# Altium PCB MU_MP_39_V1.PcbDoc (part 9 of 15)
Units mm, origin at the board's own origin, x right, y up, seen from the top; angles counter-clockwise.
Board outline 133 x 94 mm, 8 copper layers (Top Layer, GND_1, POWER_1, POWER_2, GND_2, Inner_Layer, GND_3, Bottom Layer), stack 1.468 mm thick; 934 components, 729 nets, 4006 pads, 2645 vias.
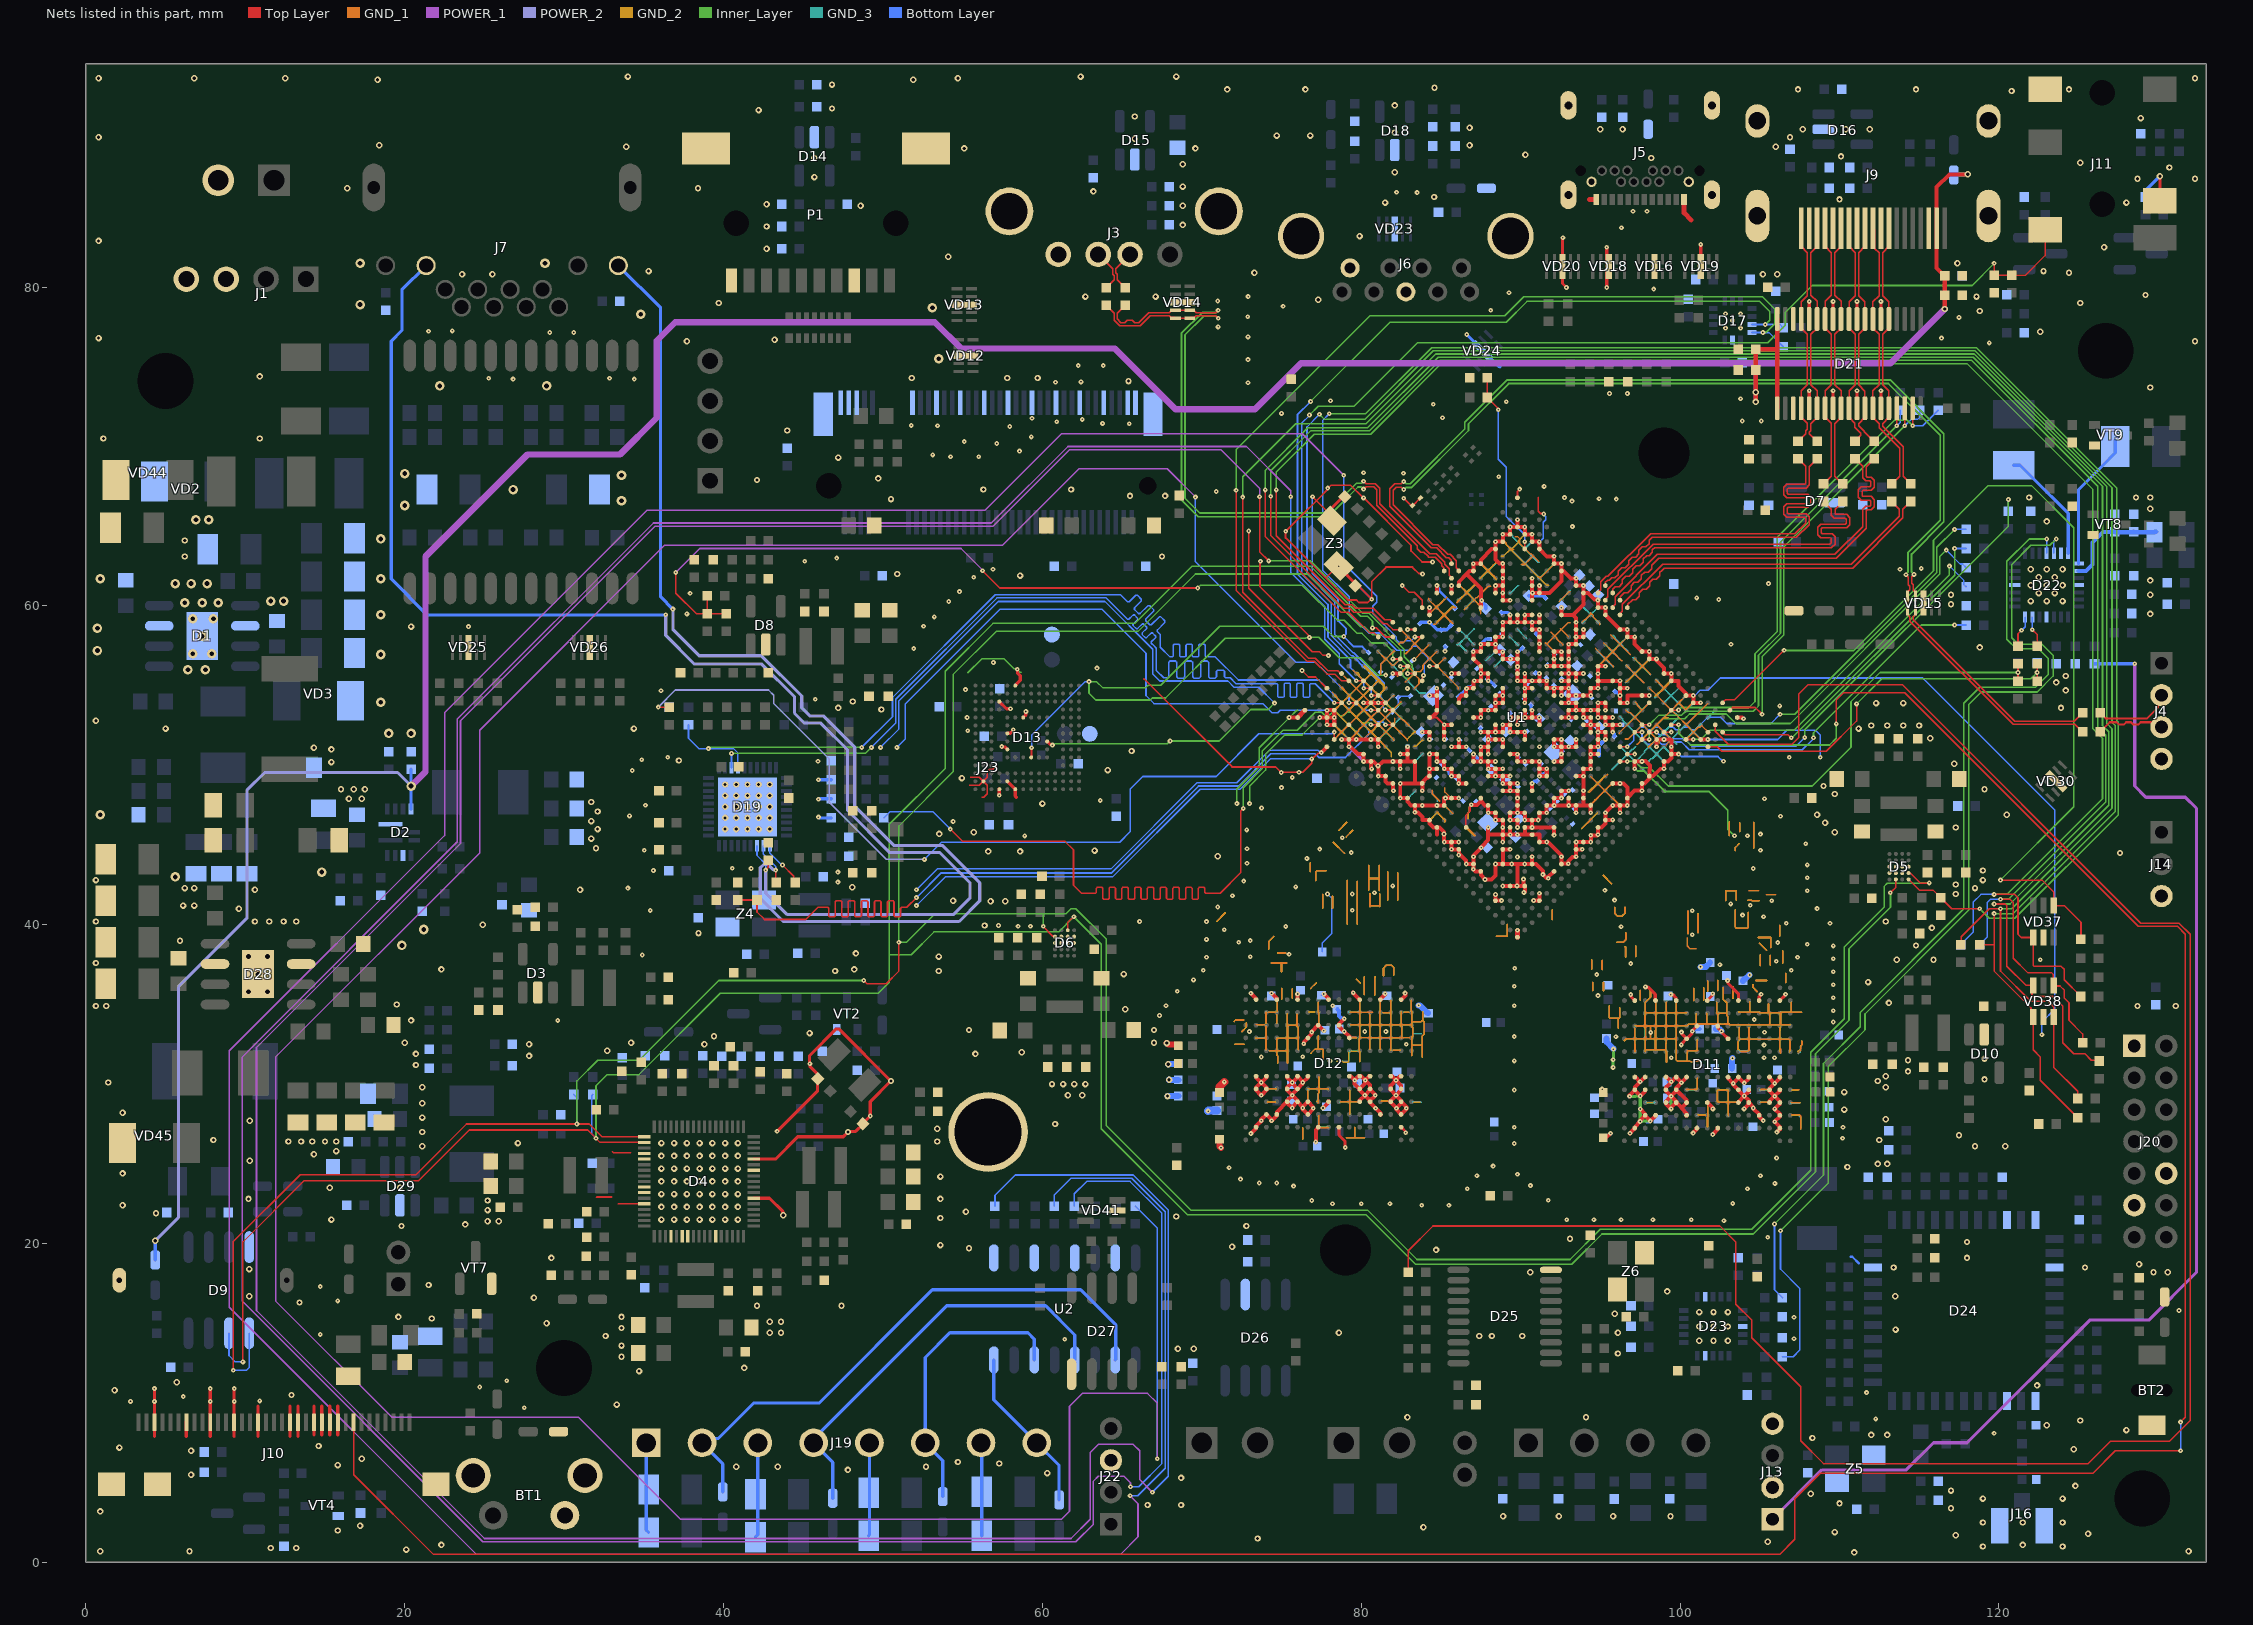
[diagram p15: the nets of this part, all layers, seen from the top]

## Via types
v1: diameter 0.3, hole 0.1, Top Layer to Bottom Layer, tented both sides, 1670 vias
v2: diameter 0.4, hole 0.2, Top Layer to Bottom Layer, tented both sides, 843 vias
v3: diameter 0.6, hole 0.3, Top Layer to Bottom Layer, tented both sides, 132 vias

## Nets (pads, with @x,y where several pads share a name; then routed paths per layer and width w, separated by ;. In a path a pad name is that pad's centre, name@x,y a point inside that pad or via, vN(x,y) a via of type N, cw(c..) or ccw(c..) an arc to the next point about the centre after c; other vN are vias at no path point) (continued)
GND: (continued)
  other v1: 119.7,8.1 112.275,9 27.5,9.7 2.8,10.1 4.3,10.1 10.9,10.132 6.1,10.4 111.7,10.65 24.7,11 26.4,11.4 61.4,14 107.15,14.025 14.7,14.3 107.15,15.375 131.3,15.8 15.8,16.4 14.7,17.3 105.5,20.4 102.75,21.425 92.9,21.5 94.6,21.5 96.3,21.5 98.3,21.5 100.7,21.5 83.8,22.4 85.5,22.4 78.2,22.5 80,22.5 81.8,22.5 103.313,22.52 76.9,22.7 91.73,22.723 86.65,23.434 104.227,23.434 75.756,23.603 90.613,23.638 105.95,23.775 73.6,23.8 74.7,23.8 72.426,24.044 87.26,24.247 105.04,24.247 89.8,24.349 71.715,24.755 88.276,24.857 106.056,25.365 89.597,26.279 110.2,26.6 89.597,27.295 110.222,27.295 89.597,29.632 78.04,31.461 89.597,31.461 99.45,31.65 105.275,31.65 105.925,31.65 73.725,31.7 76.33,31.721 105.275,32.45 82.825,32.5 89.597,32.985 95.975,32.975 105.3,33.25 72.984,33.3 80.225,33.3 81.55,33.3 109.612,33.899 29.6,34 104.65,34.05 67.346,34.306 109.612,34.61 67.753,34.915 78.218,34.915 89.597,34.915 109.612,35.423 94.855,35.554 68.464,35.83 89.597,36.134 109.612,36.236 69.48,36.541 94.778,36.875 109.612,37.049 70.09,37.15 106.97,37.15 89.625,37.275 102.5,37.484 96.912,37.56 106.031,37.709 122.6,37.8 109.612,37.862 70.293,37.963 107.377,37.963 73.036,37.989 34.9,38.1 75.475,38.15 109.612,38.674 107.986,38.776 106.132,38.878 72.324,38.9 73.036,39.005 70.293,39.081 100.772,39.378 71.41,39.69 96.302,39.868 75.271,39.894 58.475,39.9 59.25,39.9 57.25,39.95 106.666,40.097 109.409,40.097 66.1,40.2 70.293,40.198 105.243,40.503 103.922,40.605 100.765,40.871 35.4,40.9 79.437,40.91 108.596,41.011 71.004,41.113 104.399,41.225 103.181,41.304 105.749,41.5 95.896,41.548 71.918,41.824 79.437,41.926 80.825,42.001 107.986,42.129 95.286,42.158 34,42.3 75.899,42.375 81.977,42.434 47.175,42.675 72.63,42.738 107.986,42.942 47.175,43.3 35.6,43.4 41.725,43.525 104.599,43.525 40.55,43.55 107.986,43.754 72.833,43.856 76.592,44.161 89.8,44.25 79.375,44.525 105.04,44.669 35.025,44.675 72.833,44.77 77.397,44.747 107.885,45.075 78.815,45.456 58.9,45.575 104.227,45.583 105.04,45.685 72.825,45.95 54.4,46.475 106.3,46.8 34.1,46.825 73.75,47.325 35.1,47.5 63.625,47.8 105.3,47.9 57.3,48.125 93.018,48.406 75,48.6 75.678,49.241 34.275,49.675 81.052,49.962 45.925,50.25 34.875,50.35 36.5,50.5 106.85,50.5 91.183,51.166 92.558,51.623 55.325,52.175 95.316,52.542 55.275,53 94.856,53.001 106.25,53.725 45.75,54.15 98.073,54.38 36.075,54.675 55.175,54.75 82.9,54.825 93.478,55.299 94.856,55.743 93.937,55.758 63.425,56.1 95.316,56.218 56.925,56.45 51.925,57.325 103.2,57.6 24,58.7 52.55,58.725 53.21,59.31 90.261,59.435 91.18,59.435 37.7,59.5 84.284,59.892 92.558,59.894 54.125,60.275 89.342,60.354 102.425,60.4 101.05,60.5 37.9,60.8 54.8,60.9 105.55,61.4 55.7,61.8 56.9,62.3 113.8,62.3 115.125,62.35 45.1,62.8 47.1,63 93.25,64.975 93.225,66.575 96,66.7 94.925,66.725 92.754,66.796 70.9,67.175 91.471,67.494 88.625,68.1 82.65,68.325 80.15,68.35 54.241,69.354 56.003,69.351 53.125,69.475 58.567,69.712 57.134,70.19 55.096,70.306 59.3,70.6 57.946,71.254 53.425,71.3 51.775,71.325 65.45,71.425 63.775,71.45 60.897,71.555 103.9,71.6 105.1,71.6 62.5,71.7 59.35,71.775 85.1,71.8 75,72.075 84.525,72.65 89.1,72.8 78.075,72.875 103.8,73 95.575,73.325 96.7,73.325 72.9,74 60.825,74.025 62.425,74.05 26.8,74.225 34.4,74.225 25.275,74.275 32.85,74.275 62.25,75.075 63.825,75.075 72.9,75.45 119.4,76.5 116.4,76.8 72.9,76.876 29.1,77.15 30.6,77.15 21.5,77.225 22.975,77.25 102.85,77.425 103.8,77.425 71.024,77.5 103.3,77.9 117.5,78.1 72.882,78.141 102.85,78.325 103.8,78.325 88.122,78.548 75.1,78.8 71,79.125 72.904,79.403 89.269,79.643 98.35,79.875 95.4,79.975 96.325,83.725 97.05,84.75 97.925,84.75 83.505,85.925 82.221,85.953
  other v2: 110.925,0.625 0.9,0.7 6.5,0.7 131.9,0.7 20.1,0.8 11.6,0.9 13.2,0.9 119,1 124,1 22.3,1.1 121.5,1.1 105.5,1.3 73.5,1.5 117.3,1.7 125.6,1.8 109.7,1.9 15.8,2 83.9,2.2 17.2,2.3 119,2.5 121.5,2.5 124,2.5 88.9,2.9 92.4,2.9 95.8,2.9 99.4,2.9 0.9,3.2 117,3.4 66.6,3.6 68.7,3.6 110,3.7 119,4 124,4 108.2,4.3 117,4.5 124.8,4.8 68.7,5.3 6.6,5.5 60.3,5.6 47.8,5.8 40.8,6 43.4,6 52.7,6 15.8,6.1 57.3,6.2 54.7,6.3 17.3,6.5 6.6,7 124.7,7.1 2.1,7.2 14.6,7.3 108.3,7.8 112,8 113,8 128,8.3 123,8.6 125.1,8.9 82.9,9.1 94.1,9.1 33.3,9.9 12.9,10.5 1.8,10.8 122.4,11.1 5.7,11.3 34.7,12 41.3,12.2 33.6,12.9 96.1,13.1 68.5,13.4 69.5,13.4 33.6,13.6 101.2,13.9 102.1,13.9 103,13.9 32.6,14.2 87.4,14.2 88.2,14.2 90.1,14.2 42.9,14.4 43.6,14.4 78.6,14.4 96.1,14.4 113.525,14.6 33.6,14.7 101.2,14.8 102.1,14.8 103,14.8 28.9,15 42.9,15.1 43.6,15.1 21.7,15.3 19.6,15.4 33.6,15.4 95.9,15.6 101.2,15.7 102.1,15.7 103,15.7 42.1,16.1 47.4,16.1 13.4,16.3 28.1,16.6 10.25,16.7 113.5,16.7 99.2,17 21.5,17.4 90.6,18.2 129.7,18.2 130.6,18.2 10.25,18.4 113.4,18.5 125.4,18.5 128.8,18.7 29.2,19.1 118,19.1 84.7,19.6 55.4,19.7 71.9,19.8 53.6,19.9 118,20.1 93.1,20.3 19.8,21.1 72.8,21.1 23.8,21.2 25.2,21.4 25.9,21.4 15.4,21.5 36.1,21.5 36.9,21.5 37.7,21.5 38.5,21.5 39.3,21.5 40.1,21.5 40.9,21.5 53.6,21.6 68.4,21.7 4.4,21.9 55.2,22 25.2,22.1 36.1,22.3 36.9,22.3 37.7,22.3 38.5,22.3 39.3,22.3 40.1,22.3 40.9,22.3 2.3,22.4 25.2,22.7 10.2,22.8 53.6,22.8 36.1,23.1 36.9,23.1 37.7,23.1 38.5,23.1 39.3,23.1 40.1,23.1 40.9,23.1 15.3,23.5 19.7,23.5 36.1,23.9 36.9,23.9 37.7,23.9 38.5,23.9 39.3,23.9 40.1,23.9 40.9,23.9 53.6,24.2 2.3,24.4 36.1,24.7 36.9,24.7 37.7,24.7 38.5,24.7 39.3,24.7 40.1,24.7 40.9,24.7 110.5,24.8 112.4,25 113,25 10.275,25.2 36.1,25.5 36.9,25.5 37.7,25.5 38.5,25.5 39.3,25.5 40.1,25.5 40.9,25.5 14.3,25.6 15.7,25.8 21.1,26.1 118.5,26.1 120.4,26.1 27.1,26.3 36.1,26.3 36.9,26.3 37.7,26.3 38.5,26.3 39.3,26.3 40.1,26.3 40.9,26.3 12.7,26.4 13.5,26.4 14.2,26.4 15,26.4 15.7,26.4 53.4,26.4 8,26.5 112.5,26.5 117.5,26.8 21.1,27 53.4,27.2 60.8,27.5 10.275,27.7 112.9,27.8 21.1,27.9 2.3,28.2 110.3,28.4 21.1,28.8 61.6,29.3 62.5,29.3 110.3,29.5 21.1,29.8 112.9,29.8 60.6,30 61.3,30 62,30 62.7,30 1.4,30.1 112.4,30.2 119.1,30.3 112.9,30.5 114.3,30.8 20.7,31.2 114.3,31.5 119.1,31.6 27.8,31.775 20.7,31.9 55.8,31.9 58.7,32 32.7,32.1 27.8,32.5 38.8,32.5 20,32.6 34.2,32.6 67,32.6 39.4,33 45.4,33.2 55.4,33.4 67,33.4 20.4,34 65.2,34.7 0.625,34.9 1.275,34.9 128.7,34.9 131.1,34.9 19.5,35 113.1,35.1 111.8,36.4 65.1,36.9 47,37.1 53.5,37.1 22.3,37.2 48.2,37.2 0.625,37.6 113.6,37.8 115.9,37.8 53.5,38 48.3,38.2 114.8,38.7 5.9,39 38.425,39.475 115.8,39.8 56.375,39.95 24.9,40 0.625,40.2 10.6,40.2 11.5,40.2 12.4,40.2 13.2,40.2 112.9,40.2 9.6,41 6.1,41.2 6.8,41.2 56.75,41.475 57.675,41.475 54.4,41.5 117.3,41.925 10.6,42.2 31,42.2 6.2,42.3 6.8,42.3 118.5,42.3 48.075,42.35 117.3,42.525 0.625,42.8 119,42.8 119,43.4 71,44.3 127.6,44.5 56.6,44.6 58.6,44.6 63.275,44.65 32,44.8 31.7,45.4 53.525,45.7 55.7,45.8 109.7,45.8 32.1,46 40.1,46 40.8,46 41.5,46 42.2,46 42.9,46 117.3,46.1 109.1,46.4 31.7,46.5 40.1,46.7 40.8,46.7 41.5,46.7 42.2,46.7 42.9,46.7 108.6,46.9 120.5,46.9 32.1,47.1 40.1,47.4 40.8,47.4 41.5,47.4 42.2,47.4 42.9,47.4 60,47.6 31.7,47.7 16.5,47.9 17.3,47.9 40.1,48.1 40.8,48.1 41.5,48.1 42.2,48.1 42.9,48.1 109.7,48.2 16,48.5 16.8,48.5 17.5,48.5 119.1,48.5 109,48.7 40.1,48.8 40.8,48.8 41.5,48.8 42.2,48.8 42.9,48.8 54.95,49.2 64.1,49.7 117.2,50.1 15.4,50.2 37.2,50.3 65.6,50.9 15.4,51 14.3,51.1 115.7,51.7 5,52.3 34.375,52.3 111.2,52.3 112,52.5 113,52.5 114,52.5 115,52.5 0.625,52.8 49.9,53.5 47.2,53.6 123.9,53.6 112.3,53.9 114,53.9 48.1,54 124.2,54.7 123.6,55.2 124.2,55.6 118.8,57.4 20.4,58.7 129.5,59.5 117,60.1 122,60.3 123,60.3 124,60.3 117,60.7 129.5,60.7 122.5,60.8 123.5,60.8 122,61.3 123,61.3 124,61.3 129.5,61.6 122.5,61.8 123.5,61.8 58.6,61.9 50.9,62 122,62.3 123,62.3 124,62.3 6.2,63.1 67.5,63.1 6.2,64.1 123,65.3 129.5,66.1 50.5,66.7 121.9,66.8 128.6,66.8 129.5,66.8 65.5,66.9 67.7,66.9 56.3,67.3 61.8,67.3 42.1,67.9 49.7,68 47.2,69.3 1.1,70.5 10.9,70.5 44,71 129.5,73.7 65.4,74.1 51.8,74.3 57.8,74.3 59.7,74.3 10.9,74.4 37.7,76.6 132.3,76.6 43.2,76.7 0.8,76.8 122.6,77.2 118.8,78.5 39.7,79 125.1,79 77.3,79.2 62.7,79.4 67.1,79.4 118.6,79.4 129.2,79.5 23.6,80.8 25.5,80.8 105.2,80.8 106.1,80.8 73.3,80.9 124.4,80.9 35.3,81 122.8,81 117.4,81.5 54.1,81.9 42.7,82.4 126.6,82.5 0.8,82.9 79.9,83.2 42.7,83.8 68.8,83.9 48.6,85.1 68.8,85.1 42.7,85.2 81.5,85.3 128,85.3 110,85.5 84.575,85.65 63.2,86 16.4,86.2 38.4,86.2 68.8,86.3 128.7,86.8 132.3,86.8 45.7,86.9 82.1,87.2 130.7,87.5 68.8,87.7 125.1,87.8 45.7,88.1 98.2,88.1 110.1,88.2 90.3,88.3 55.1,88.7 69.6,88.7 33.9,88.8 106,88.8 18.4,88.9 86.8,88.9 65.8,89.3 0.8,89.4 106.9,89.4 74.7,89.5 76.8,89.5 82.1,89.7 95,89.9 96.4,89.9 107.7,89.9 110.4,89.9 111.9,89.9 86.8,90 128.9,90.6 65.8,90.7 42.2,91.1 46.8,91.2 82.1,91.4 120.8,92.3 71.6,92.4 76.5,92.4 107.4,92.4 114.8,92.4 124.4,92.4 84.6,92.5 46.8,92.7 18.3,93 51.9,93 0.8,93.1 6.8,93.1 12.5,93.1 54.7,93.1 132.3,93.1 34,93.2 62.4,93.2 68.4,93.2
  other v3: 10.2,35.8 11.4,35.8 10.8,36.9 10.2,38 11.4,38 19.825,38.7 21.2,39.7 5.6,43 14.8,43.3 0.9,46.9 19,52 20.4,52 18.5,53.95 6.4,56 7.5,56 18.5,56.95 6.7,57 7.9,57 0.725,57.2 7.3,58.1 0.725,58.6 6.7,59.2 8,59.2 18.5,59.45 6.2,60.2 7.3,60.2 8.3,60.2 11.6,60.3 12.4,60.3 5.6,61.4 6.6,61.4 7.6,61.4 0.9,61.7 18.5,61.7 18.5,64.2 6.9,65.4 7.7,65.4 20,66.3 33.6,66.6 26.8,67.3 33.6,68.2 20,68.3 22.2,73.8 28.9,73.8 53.5,75.5 34.8,78.3 53.1,78.7 17.2,78.9 17.2,81.5 28.8,81.5
GPIO0_A1: U1.R29 | length 0.5
  Top Layer w0.11: v1(82.908,58.516) U1.R29@83.365,58.515
GPIO0_A6: U1.P25 | length 0.5
  Top Layer w0.11: v1(84.288,56.213) 84.352,56.213 84.356,56.217 U1.P25@84.744,56.217
GPIO0_B3: U1.U30 | length 2.1
  Top Layer w0.1: v1(82.575,61.275) 83,60.85 83.322,60.85 83.825,60.347 U1.U30@83.825,59.894
GPIO0_B4: U1.V26
GPIO1_A4: R280.2 U1.R28 | length 216
  Top Layer w0.11: v1(83.368,58.056) U1.R28@83.825,58.056
  POWER_1 w0.1: v1(65.5,4.175) 66,3.675 66,1.6 64.9,0.5 24.5,0.5 9,16 9,32.1 22.5,45.6 22.5,53.3 35.2,66 56.4,66 61.2,70.8 76.3,70.8 v1(78.9,68.2)
  Bottom Layer w0.1: R280.2@60.75,22.35 60.75,23.05 61.8,24.1 65.6,24.1 67.7,22 67.7,5.9 65.975,4.175 v1(65.5,4.175) ; v1(78.9,68.2) 78.9,62.681 80.975,60.606 80.975,60.228 80.725,59.978 80.725,59.535 82.208,58.052 82.208,57.88 82.384,57.704 82.638,57.704 82.759,57.825 83.136,57.825 v1(83.368,58.056)
GPIO1_C1: R284.2 U1.M27 | length 220.2
  Top Layer w0.1: v1(73.625,66.85) 73.625,63.4 v1(74.2,62.825)
  Top Layer w0.11: v1(82.449,56.218) U1.M27@82.906,56.217
  POWER_1 w0.1: v1(66.9,4.4) 66.1,5.2 66.1,7 65.7,7.4 63.5,7.4 63,6.9 63,2.7 61.8,1.5 25,1.5 10.7,15.8 10.7,32.3 23.5,45.1 23.5,52.8 35.7,65 56.9,65 61.7,69.8 71.2,69.8 73.625,67.375 v1(73.625,66.85)
  Inner_Layer w0.1: v1(74.2,62.825) 76.8,62.825 80.075,59.55 80.475,59.55 81.584,58.441 81.584,58.369 82.692,57.26 82.692,56.808 83.208,56.292 83.208,55.634 83.032,55.458 82.784,55.458 82.608,55.634 82.608,56.004 82.449,56.164 v1(82.449,56.218)
  Bottom Layer w0.1: R284.2@57.025,22.35 57.025,23.025 58.3,24.3 65.7,24.3 67.9,22.1 67.9,5.4 v1(66.9,4.4)
GPIO1_C7: R291.2 U1.M31 VD38.6 | length 117.3
  Top Layer w0.1: v1(73.975,67.275) 73.975,64.357 78.732,59.6 79.225,59.6 80.5,58.325 80.579,58.325 80.584,58.319 80.804,58.319 U1.M31@81.067,58.056 ; v1(119.7,41.3) 120.4,41.3 120.5,41.2 120.5,37.4 121.7,36.2 VD38.6@122.15,36.2 122.081,36.131 122.081,35.559 122.14,35.5 123.4,35.5 124,34.9 124,32.6 124.7,31.9 125.4,31.9 125.8,31.5 126.25,31.5 R291.2@126.3,31.45
  Inner_Layer w0.1: v1(73.975,67.275) 73.975,68.5 76.65,71.175 80.4,71.175 84.825,75.6 118.4,75.6 126.5,67.5 126.5,52.5 126.9,52.1 126.9,47.5 120.7,41.3 v1(119.7,41.3)
GPIO2_A0/I2C2_SDA: R111.2 R290.1 U1.G31 VD38.3 | length 124.6
  Top Layer w0.1: v1(72.575,66.825) 72.575,60.85 76.7,56.725 77.125,56.725 77.917,55.933 78.535,55.933 78.71,55.758 U1.G31@78.769,55.758 ; R111.2@117.6,38.75 117.641,38.791 117.641,39.241 119.4,41 v1(120.1,41) 120.1,37.1 122,35.2 123.1,35.2 123.45,34.85 VD38.3@123.45,34.2 123.45,31.05 124.95,29.55 R290.1@124.95,29.1
  Inner_Layer w0.1: v1(72.575,66.825) 72.575,68.1 75.9,71.425 80.3,71.425 84.675,75.8 118.455,75.8 126.777,67.477 126.777,52.623 127.1,52.3 127.1,47.3 120.8,41 v1(120.1,41)
GPIO2_A1/I2C2_SCL: R112.2 R293.1 U1.H25 VD38.1 | length 123.8
  Top Layer w0.1: v1@81.519,53.469 81.977,53.469 U1.H25@81.986,53.46 ; R112.2@118.8,38.75 119.7,38.75 ; v1(119.7,40.7) 119.7,38.75 ; 122.6,30.7 122.6,30.25 ; R293.1@124.95,27.9 122.6,30.25 ; 119.7,38.75 119.7,37.1 122.019,34.781 122.019,34.331 VD38.1@122.15,34.2 122.15,32.15 122.6,31.7 122.6,30.25
  Inner_Layer w0.1: v1(77.375,72.025) 77.7,71.7 80.225,71.7 84.525,76 118.509,76 127.1,67.409 127.1,52.7 127.3,52.5 127.3,47.1 120.9,40.7 v1(119.7,40.7)
  Bottom Layer w0.08: 79.534,57.066 81.443,55.157 81.443,54.753 81.215,54.524 81.215,54.27 81.393,54.092
  Bottom Layer w0.1: v1(77.375,72.025) 77.375,72 76.6,71.225 76.6,62 78.34,60.26 78.34,58.212 79.486,57.066 79.534,57.066 ; 81.393,54.092 81.393,53.628 81.518,53.503 v1(81.518,53.469)
GPIO2_A3: R274.2 U1.F28 | length 199.9
  Top Layer w0.1: v1(79.232,53.92) 79.233,53.919 U1.F28@79.688,53.919
  POWER_1 w0.1: v1(67.2,6.5) 67.2,10 66.6,10.6 62.5,10.6 61.7,9.8 61.7,3.2 61.2,2.7 37.3,2.7 30.9,9.1 19.2,9.1 11.9,16.4 11.9,31.7 24.7,44.5 24.7,52.2 36.3,63.8 57.5,63.8 62.3,68.6 67.825,68.6 v1(69.6,66.825)
  Bottom Layer w0.1: R274.2@65.825,22.35 67.2,20.975 v1(67.2,6.5) ; v1(69.6,66.825) 69.6,62.775 75.899,56.476 77.129,56.476 79.232,54.373 v1(79.232,53.92)
GPIO2_A4: R276.2 U1.H29 | length 208.1
  Top Layer w0.1: v1@79.692,55.298 U1.H29@80.148,55.298
  POWER_1 w0.1: v1(65.525,4.75) 65.525,5 65.125,5.4 63.5,5.4 63.2,5.1 63.2,2.4 62.1,1.3 24.9,1.3 9.8,16.4 9.8,31.7 23.3,45.2 23.3,52.9 35.6,65.2 56.8,65.2 61.6,70 72.8,70 75.575,67.225 v1(75.575,66.85)
  Bottom Layer w0.1: R276.2@62,22.35 62,23.125 62.775,23.9 65.5,23.9 67.5,21.9 67.5,6.2 66.05,4.75 v1(65.525,4.75) ; v1(75.575,66.85) 75.575,62.1 77.71,59.965 77.71,57.915 78.624,57.001 78.624,56.366 v1(79.691,55.299)
GPIO2_D4: U1.AF8
GPIO3_C0: U1.D27
GPIO3_D2: R262.1 U1.AJ2 | length 133.9
  Top Layer w0.1: R262.1@82.95,18.2 82.95,19.55 84.5,21.1 102.5,21.1 103.5,20.1 103.5,16.2 104.5,15.2 104.5,14.1 107.575,11.025 107.575,7.625 109,6.2 125.6,6.2 127,7.6 130.7,7.6 132,8.9 132,39.4 131.3,40.1 128.9,40.1 113.95,55.05 108.025,55.05 107.45,54.475 107.45,51.75 107.025,51.325 103.025,51.325 102.21,52.14 U1.AJ2@102.21,52.54
GPIO3_D4: U1.AE5 | length 0.5
  Top Layer w0.1: U1.AE5@98.992,52.081 99.45,52.081 v1(99.452,52.082)
GPIO3_D5: U1.AA6 | length 0.5
  Top Layer w0.1: U1.AA6@96.694,50.702 97.152,50.702 v1(97.154,50.704)
GPIO3_D6: U1.AH2
GPIO04_C6/PWM_1: R285.2 U1.AL3 VD37.4 | length 62
  Top Layer w0.1: U1.AL3@102.669,53.919 102.875,54.125 103.425,54.125 v1(106.525,57.225) ; v1(120.1,42.8) 122.7,42.8 123.45,42.05 VD37.4@123.45,41.2 ; VD37.4@123.45,40.8 VD37.4@123.45,41.2 ; R285.2@125.15,39.1 125.15,40.15 124.1,41.2 VD37.4@123.45,41.2
  Inner_Layer w0.1: v1(106.525,57.225) 106.55,57.2 110.9,57.2 115.9,62.2 115.9,64.125 119.3,67.525 122.075,67.525 124.7,64.9 124.7,47.4 v1(120.1,42.8)
GPU_SLEEP_H: D5.A1 R36.2 U1.M25 | length 113.5
  Top Layer w0.1: U1.M25@83.825,55.298 83.825,55.509 83.907,55.591 v1(83.907,55.642) ; D5.A1@114.335,42.845 115.005,42.175 115.875,42.175 117.05,41 v1(118.8,41)
  Inner_Layer w0.1: v1@78.001,72.05 80.275,72.05 84.425,76.2 118.6,76.2 127.4,67.4 127.4,52.8 127.5,52.7 127.5,46.9 121,40.4 119.4,40.4 v1(118.8,41)
  Bottom Layer w0.1: v1(78,72.049) 77.575,71.625 77.575,62.244 79.25,60.569 79.25,59.525 80.475,58.3 81.15,58.3 82.236,57.214 83.003,57.214 83.248,57.458 83.501,57.458 84.21,56.749 84.21,56.605 83.958,56.353 83.958,55.692 v1(83.907,55.642)
HDMI_CEC: D21.16 R181.1 U1.AD7 | length 31.1
  Top Layer w0.1: U1.AD7@97.614,52.54 98.072,52.54 v1(98.073,52.542) ; v1(113.6,71.3) D21.16@113.6,72.4
  Inner_Layer w0.1: v1(98.073,52.542) 98.681,53.15 100.1,53.15 100.35,53.4 104.6,53.4 104.925,53.725 104.925,56.9 106.3,58.275 106.3,64 v1(113.6,71.3)
  Bottom Layer w0.1: v1(113.6,71.3) 113.825,71.525 R181.1@113.825,72.275
HDMI_TX0_N: D21.12 D21.27 J9.9 R177.2 | length 14.6
  Top Layer w0.08: J9.9@111.6,83.7 111.6,82.55 111.215,82.165 111.215,81.923 111.215,79.46 111.6,79.075 111.6,78.575 D21.27@111.6,78 111.6,77.425 111.215,77.04 111.215,73.86 111.6,73.475 111.6,72.975 D21.12@111.6,72.4 111.6,71.835 111.2,71.435 111.2,71.3 111.915,70.585 R177.2@112.175,70.325
HDMI_TX0_P: D21.10 D21.29 J9.7 R176.2 | length 14.5
  Top Layer w0.08: J9.7@110.6,83.7 110.6,82.55 110.985,82.165 110.985,82.018 110.985,79.46 110.6,79.075 110.6,78.575 D21.29@110.6,78 110.6,77.425 110.985,77.04 110.985,73.885 110.6,73.5 110.6,72.975 D21.10@110.6,72.4 110.6,71.825 110.97,71.455 110.97,71.205 111.35,70.825 111.35,70.7 R176.2@110.975,70.325
HDMI_TX1_N: D21.9 D21.30 J9.6 R175.2 | length 17.1
  Top Layer w0.08: J9.6@110.1,83.7 110.1,82.55 109.715,82.165 109.715,81.923 109.715,79.485 110.1,79.1 110.1,78.575 D21.30@110.1,78 110.1,77.425 109.715,77.04 109.715,73.885 110.1,73.5 110.1,72.975 D21.9@110.1,72.4 110.1,71.825 109.705,71.43 109.705,68.145 R175.2@110.2,67.65
HDMI_TX1_P: D21.7 D21.32 J9.4 R174.2 | length 17
  Top Layer w0.08: R174.2@109,67.65 109.475,68.125 109.475,71.45 109.1,71.825 D21.7@109.1,72.4 109.1,73 109.1,73.5 109.485,73.885 109.485,77.04 109.1,77.425 D21.32@109.1,78 109.1,78.575 109.1,79.1 109.485,79.485 109.485,82.018 109.485,82.165 109.1,82.55 J9.4@109.1,83.7
HDMI_TX2_N: D21.6 D21.33 J9.3 R173.2 | length 14.4
  Top Layer w0.08: R173.2@108.6,70.325 108.115,70.81 108.115,70.907 108.2,70.992 108.2,71.425 108.6,71.825 D21.6@108.6,72.4 108.6,72.975 108.6,73.5 108.215,73.885 108.215,77.04 108.6,77.425 D21.33@108.6,78 108.6,79.1 108.215,79.485 108.215,82.165 108.6,82.55 J9.3@108.6,83.7
HDMI_TX2_P: D21.4 D21.35 J9.1 R172.2 | length 14.4
  Top Layer w0.08: R172.2@107.4,70.325 107.885,70.81 107.885,71.002 107.97,71.087 107.97,71.455 107.6,71.825 D21.4@107.6,72.4 107.6,72.975 107.6,73.5 107.985,73.885 107.985,77.04 107.6,77.425 D21.35@107.6,78 107.6,79.075 107.985,79.46 107.985,82.165 107.6,82.55 J9.1@107.6,83.7
HDMI_TXC_N: D21.15 D21.24 J9.12 R179.2 | length 17.6
  Top Layer w0.08: J9.12@113.1,83.7 113.1,82.55 112.715,82.165 112.715,82.018 112.715,79.46 113.1,79.075 113.1,77.425 112.715,77.04 112.715,73.885 113.1,73.5 113.1,72.975 D21.15@113.1,72.4 113.1,71.825 112.715,71.44 112.715,71.26 114,69.975 114,68.125 R179.2@114.475,67.65
HDMI_TXC_P: D21.13 D21.26 J9.10 R178.2 | length 17.6
  Top Layer w0.08: J9.10@112.1,83.7 112.21,83.59 112.21,82.415 112.485,82.14 112.485,81.923 112.485,79.46 112.1,79.075 112.1,77.425 112.485,77.04 112.485,73.885 112.1,73.5 112.1,72.975 D21.13@112.1,72.4 112.1,71.825 112.485,71.44 112.485,71.165 113.77,69.88 113.77,68.145 R178.2@113.275,67.65
HDMITX0_N: R177.1 U1.AL17 | length 24.3
  Top Layer w0.08: U1.AL17@96.235,60.354 96.243,60.362 96.243,60.568 96.475,60.8 96.503,60.828 96.715,60.828 96.928,61.04 96.928,61.264 97.14,61.476 97.363,61.476 97.575,61.688 97.575,61.912 97.787,62.124 98.011,62.124 98.223,62.336 98.223,62.548 98.35,62.675 98.675,63 109.8,63 111.68,64.88 111.68,65.325 111.68,65.969 111.737,66.026 111.988,66.026 112.18,66.217 112.18,66.674 111.988,66.866 111.475,66.866 111.418,66.923 111.418,67.189 111.475,67.246 111.988,67.246 112.18,67.437 112.18,67.894 111.988,68.086 111.737,68.086 111.68,68.143 111.68,68.25 111.68,68.73 R177.1@112.175,69.225
HDMITX0_P: R176.1 U1.AK17 | length 24.5
  Top Layer w0.08: U1.AK17@95.775,59.894 95.775,59.954 95.93,60.109 95.93,60.581 98.58,63.23 109.705,63.23 111.45,64.975 111.45,65.325 111.45,66.064 111.642,66.256 111.893,66.256 111.95,66.313 111.95,66.579 111.893,66.636 111.38,66.636 111.188,66.827 111.188,67.284 111.38,67.476 111.893,67.476 111.95,67.533 111.95,67.799 111.893,67.856 111.642,67.856 111.45,68.047 111.45,68.25 111.45,68.75 R176.1@110.975,69.225
HDMITX1_N: R175.1 U1.AL18 | length 21.8
  Top Layer w0.08: U1.AL18@95.775,60.814 95.78,60.818 95.78,61.031 95.937,61.188 95.965,61.216 96.178,61.216 96.39,61.428 96.39,61.652 96.602,61.864 96.825,61.864 97.037,62.076 97.037,62.299 97.25,62.511 97.473,62.511 97.685,62.724 97.685,62.947 97.897,63.159 98.059,63.159 98.271,63.371 98.271,63.522 98.3,63.55 98.399,63.65 109.5,63.65 109.725,63.875 109.725,64.123 109.725,64.325 109.533,64.517 108.916,64.517 108.859,64.574 108.859,64.84 108.916,64.897 110.46,64.897 110.652,65.089 110.652,65.545 110.46,65.737 109.782,65.737 109.725,65.794 109.725,65.925 109.725,66.075 R175.1@110.2,66.55